# KiCad board Mynd_Main.kicad_pcb (continued)
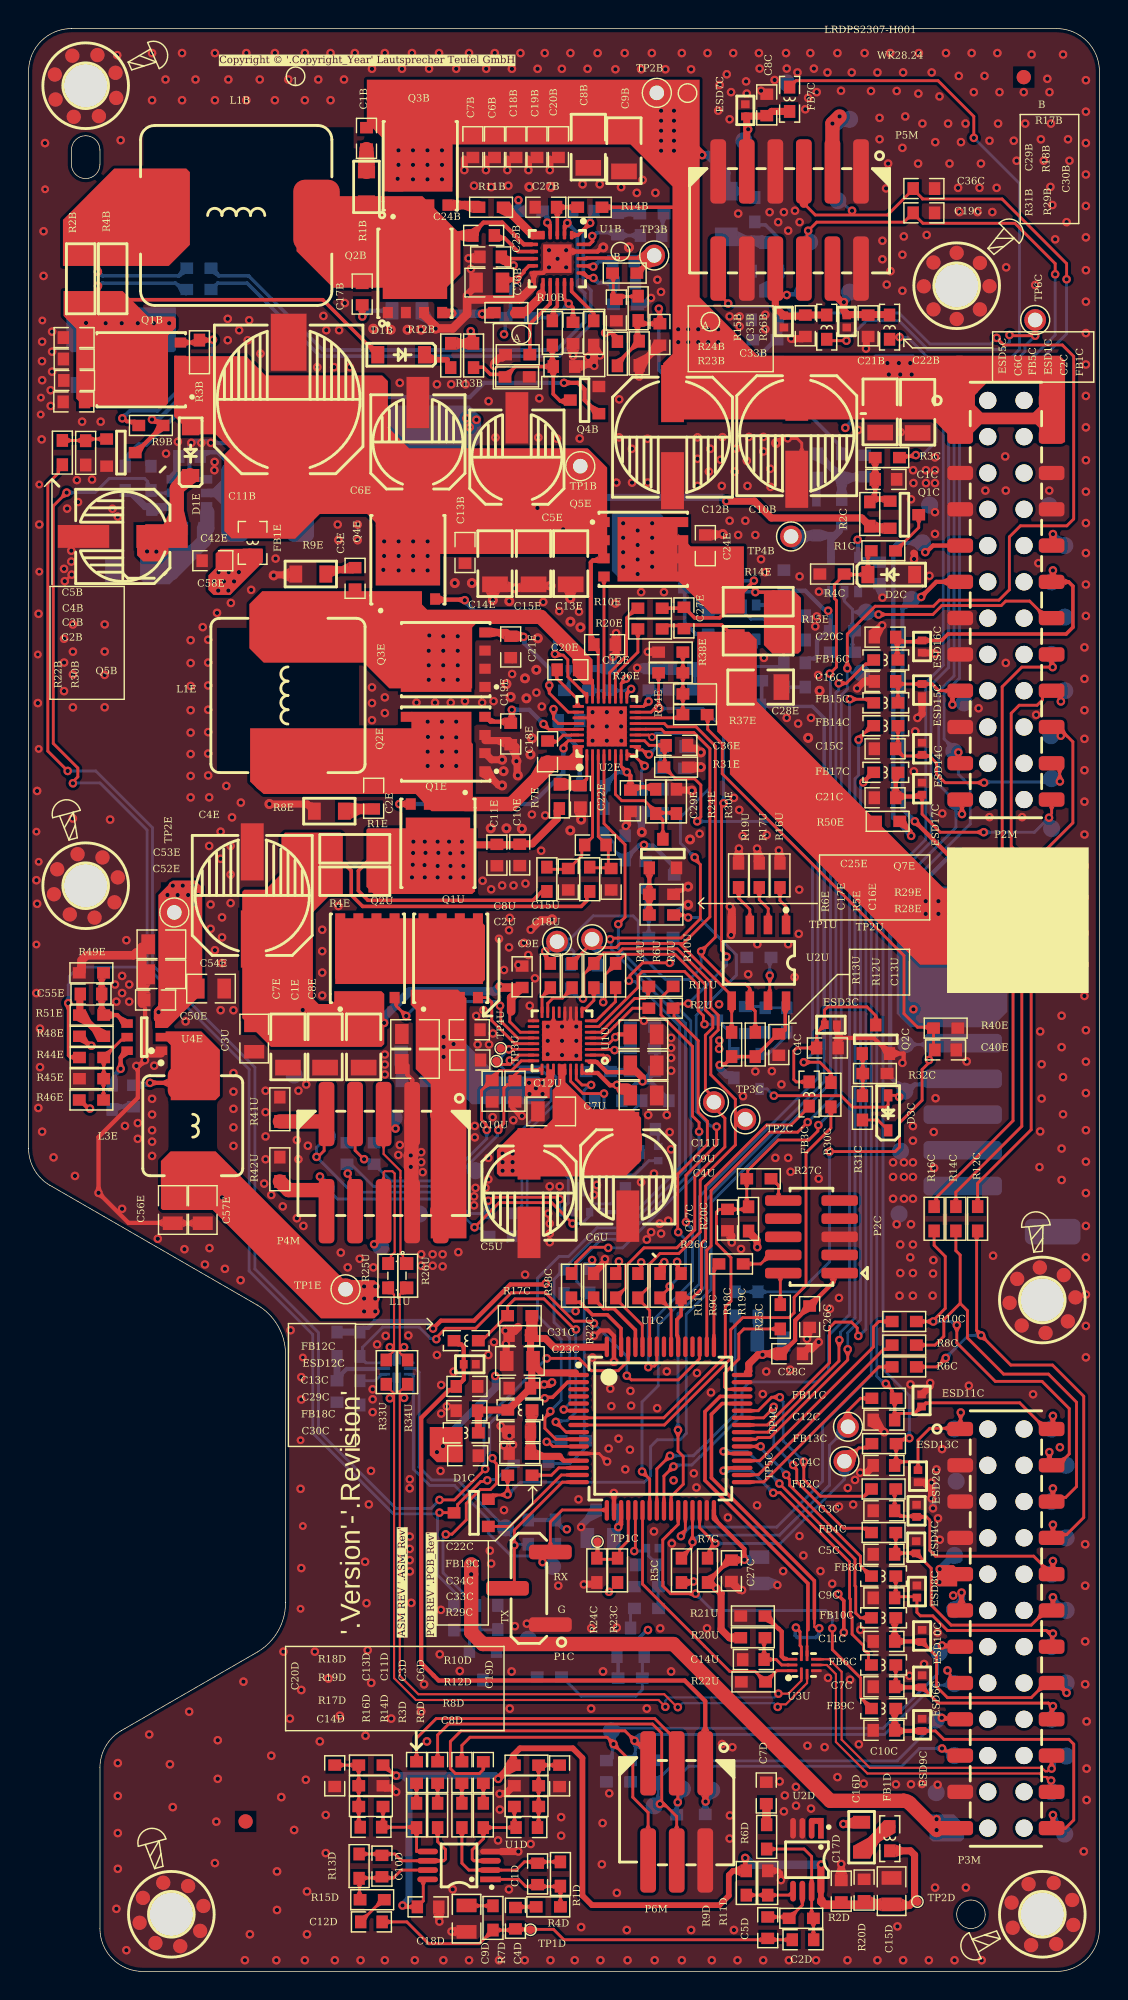
[diagram p0: board, top side]
## Routing (per net, layer and track width the routed paths; a pad name or vN(x,y) marks a point on that pad's centre or on a via; arc(x,y) is an arc through that point) (continued)
SDA: length 128.6
  Component Side w0.2: 61.5,37.25 61.06,37.25 60.76,36.95 60.76,35.68 ; ESD13C.2 62.29,35.69 ; 62.29,35.69 62.29,37.19 63.12,38.02 64.82,38.02 65.27,38.47 65.27,39.02 ; 62.29,35.69 62.28,35.68 60.76,35.68 ; 60.76,35.68 60.76,35.53 C14C.1 ; 54.3,123.75 55.1,122.95 60.15,122.95 61.95,124.75 62.6,124.1 62.6,124.07 68.18,124.07 72.7,119.55 v1(72.7,118.45) ; 61.9,124.75 C36C.1 ; 62.25,125.15 62.25,125.15
  Component Side w0.6: 54.3,123.75 P5M.5
  Solder Side w0.2: v1(65.29,39.13) 65.29,38.41 TP7M.1 ; TP53M.1 56.86,123.96 57.57,123.25 v1(57.67,123.25) ; v1(72.7,118.45) 72.7,114.63 69.82,111.75 66.4,111.75 65.2,110.55 65.2,90.53 64.12,89.45 64.12,86.28 65.09,85.31 ; v1(65.12,85.33) 65.12,83.81 65.95,82.97 65.95,80.32 59.84,74.21 59.84,42.15 61.69,40.31 v1(61.69,37.33)
SDA_2: length 18.6
  Component Side w0.2: 47,32.3 47,31.06 v1(48.1,29.96) 47.7,29.56 47.7,28.92 47.55,28.77 ; 59.06,36.95 58.76,36.65 58.16,36.65 57.57,36.06 57.24,36.06
  Solder Side w0.2: TP5C.1 57.14,34.44 52.65,29.96 v1(48.1,29.96)
StepUp_Ena: length 109
  Component Side w0.2: v1(28.78,33.01) 29.82,33.01 v1(31.98,35.17) ; R22B.1 2.08,105.18 2.08,104.88 1.35,104.15 1.35,85.42 v1(2.74,84.03) ; 42,43.7 42,42.75 41.3,42.05 39.41,42.05 38.54,42.91 v1(36.29,42.91)
  Solder Side w0.2: v1(28.78,33.01) 28.19,32.41 25.72,32.41 20.3,37.83 20.3,44.72 15.85,49.17 15.85,63.29 8.68,70.46 8.68,80.06 4.7,84.03 v1(2.74,84.03) ; v1(36.29,42.91) 31.9,38.53 31.9,35.25 v1(31.98,35.17)
SWCLK: length 6
  Component Side w0.2: R26C.1 48.3,49.52 48,49.22 48,43.7
SWDIO: length 8.5
  Component Side w0.2: R25C.1 50.1,44.97 49.74,44.62 49.74,42.87 48.74,41.87 48.74,40.92 48.91,40.75 U1C.46
UART1_RX: length 15
  Component Side w0.2: 49.95,39.25 51.1,39.25 52.04,40.19 v1(52.62,40.19) ; FB2C.1 58.98,33.77 58.68,33.47 58.68,33.42 58.53,33.26 55.47,33.26 54.3,34.43 v1(54.3,35.69)
  Solder Side w0.2: v1(54.3,35.69) 52.85,37.14 52.85,39.88 52.62,40.11 v1(52.62,40.19)
UART1_TX: length 15.2
  Component Side w0.2: v1(52.19,39.52) 52.19,39.46 51.48,38.75 U1C.42 ; FB4C.1 58.73,31.02 57.07,31.02 53.8,34.29 53.8,35.13 53.55,35.38 v1(53.55,35.45)
  Solder Side w0.2: v1(53.55,35.45) 53.55,35.49 52.19,36.85 v1(52.19,39.52)
UART2_RX: length 28.9
  Component Side w0.2: 40.5,32.3 37.37,32.3 36.54,31.47 P1C.3 36.4,29.36 36,28.96 v1(36,28.65)
  Solder Side w0.2: v1(36,28.65) 35.56,29.09 33.79,29.09 32.2,30.68 32.2,31.65 29.83,34.02 28.09,34.02 26.95,35.17 26.95,41.68 26.93,41.7 26.93,41.8 U4U.5 ; R34C.2 36.7,29.7 TP7C.1 36.43,28.35 36.21,28.57
UART2_TX: length 28.3
  Component Side w0.2: 34.02,26.58 34.02,30.89 37.38,34.25 U1C.16 ; P1C.2 33.7,26.98
  Solder Side w0.2: U4U.4 27.09,42.2 27.35,41.94 27.35,35.3 28.25,34.4 30.05,34.4 TP8C.1 33.4,30.86 33.94,30.32 33.94,29.91 v1(34.02,29.83) ; 34.11,29.9 35.2,29.9
USB-CC1: length 21
  Component Side w0.2: 22.87,59.07 22.87,59.07 22.87,57.47 23.48,56.85 v1(23.5,56.85) ; U1U.24 34.51,63.74 33.82,63.05 32.96,63.05 32.62,62.71 32.62,62.66 32.32,62.36 32.27,62.36 ; v1(32.09,58.91) 32.03,58.97 32.03,59.3 31.73,59.61 31.73,61.67 32.17,62.11 32.17,62.36
  Solder Side w0.2: v1(32.09,58.91) 32.09,58.29 29.14,55.34 25.37,55.34 24.55,56.15 24.55,56.2 24.25,56.5 C16U.1 ; v1(23.5,56.85) 23.55,56.8 23.85,56.8 24.18,56.48
USB-CC2: length 22.4
  Component Side w0.2: P4M.8 22.53,53.56 22.53,55.58 ; v1(32.9,58.9) 32.9,58.97 33.29,59.36 33.29,61.83 33.52,62.06 33.72,62.06 33.72,62.36 34.02,62.66 34.02,62.71 34.45,63.14 U1U.25
  Solder Side w0.2: v1(22.36,55.85) 22.36,56.45 C17U.1 ; 22.66,56.45 24.15,54.96 29.3,54.96 32.84,58.51 32.84,58.84 v1(32.9,58.9)
USB_AJ_N: length 6.5
  Component Side w0.15: R25U.2 25.16,47.8 25.6,47.37 25.6,45.27 25.6,43.45 25.33,43.17 25.28,43.17 24.88,42.78 24.88,42.73
  Solder Side w0.15: 25.6,43 25.6,43.45 25.35,43.7 v1(25.3,43.7)
USB_AJ_P: length 6.6
  Component Side w0.15: 26.4,42.9 26.13,43.17 26.12,43.17 26,43.3 26,45.1 26,47.39 26.09,47.47 26.22,47.47 L1U.4 R26U.2
  Solder Side w0.15: v1(26.3,43.7) 26,43.4 26,42.85 U4U.2
USB_B_N: length 24.3
  Component Side w0.15: U3U.5 56.07,21.85 56.94,20.98 56.94,16.23 58.91,14.25 70.97,14.25 71.21,14.01 71.34,14.01 71.53,14.2 v1(71.65,14.2) P3M.20
  Solder Side w0.15: v1(71.65,14.2) 71.67,14.21 71.67,14.37 72.1,14.8
USB_B_P: length 22.6
  Component Side w0.15: 56.54,18.48 56.54,18.49 56.54,18.49 56.54,18.52 ; v1(71.62,13.36) 71.53,13.36 71.28,13.61 71.05,13.61 70.8,13.86 58.75,13.86 56.54,16.06 56.54,20.81 55.9,21.45 U3U.4
USB_BJ_N: length 52.9
  Component Side w0.15: U3U.1 54.12,20.35 53.21,19.44 v1(52.52,19.44) ; v1(44.6,18.52) 44.12,19 27.13,19 25.6,20.53 25.6,40.45 25.2,40.85
  Solder Side w0.15: v1(52.52,19.44) 52.26,19.18 44.83,19.18 44.6,18.95 v1(44.6,18.52) ; v1(25.3,40.12) 25.6,40.42 U4U.7
USB_BJ_P: length 53
  Component Side w0.15: U3U.2 54.52,20.19 54.29,19.95 ; 26.5,41.1 26,40.6 26,20.7 27.3,19.4 44.52,19.4 45.42,18.5 v1(45.47,18.5) ; 54.29,19.95 53.04,18.7 52.46,18.7
  Solder Side w0.15: v1(45.47,18.5) 45.5,18.5 45.79,18.78 52.21,18.78 v1(52.47,18.52) ; U4U.6 26,40.45 v1(26.3,40.15)
USB_J_N: length 11
  Component Side w0.15: L1U.2 25.38,50.07 25.64,50.34 25.64,55.85 25.48,56.02 24.95,56.02 24.87,55.93 24.87,53.32 ; v1(24.2,50.9) 24.22,50.9 24.78,51.46 24.78,51.58 24.7,51.5
USB_J_P: length 12.1
  Component Side w0.15: L1U.1 26.23,50.07 26.05,50.25 26.05,56.04 24.87,57.22 24.87,59.46 ; 24.87,59.46 25.33,59 v1(25.7,59) ; 24.87,59.46 P4M.5
USB_M_N: length 25.6
  Component Side w0.15: v1(55.38,24.02) 55.3,24.09 55.07,24.09 55.03,24.13 55.03,24.67
  Component Side w0.2: U3U.7 54.12,22.72 54.03,22.81 54.03,23.78 v1(53.74,24.07)
  Component Side w0.25: 49.95,39.75 48.58,39.75 47.83,39 47.83,34.55 55.03,27.34 55.03,24.67
  Solder Side w0.25: v1(53.74,24.07) 53.69,24.02 53.69,23.52 53.84,23.37 55.14,23.37 55.35,23.59 55.35,23.99 v1(55.38,24.02)
USB_M_P: length 23.1
  Component Side w0.15: 54.52,22.77 54.52,23.86 54.58,23.91 54.58,23.92
  Component Side w0.2: U3U.6 54.52,22.77
  Component Side w0.25: 49.95,40.25 48.44,40.25 47.38,39.19 47.38,34.37 54.58,27.16 54.58,23.92
USB_PD_N: length 19.8
  Component Side w0.2: 33.85,63.62 34.37,64.14 U1U.23 ; 33.85,63.62 v1(33.71,63.76) ; 33.85,63.62 33.72,63.49 32.73,63.49
  Solder Side w0.18: 33.53,51.08 33.53,51.18 33.81,51.46 33.91,51.46 34.92,52.46 34.92,58.76 36.95,60.8 36.95,62.6 36.23,63.32 34.15,63.32 v1(33.71,63.76)
USB_PD_P: length 17.3
  Component Side w0.2: v1(33.64,64.54) U1U.22
  Solder Side w0.18: 34.15,53.2 34.56,53.6 34.56,58.91 36.59,60.95 36.59,62.45 36.08,62.96 33.49,62.96 33.1,63.34 33.1,64 v1(33.64,64.54)
USB_SBU1: length 35.8
  Component Side w0.2: v1(32.2,53.95) 32.31,53.95 32.56,54.2 32.69,54.2 32.7,54.19 36.97,54.19 37.1,54.06 v1(37.21,54.06) ; v1(20.17,57.02) 20.27,57.02 20.7,57.45 20.7,59.85 P4M.9
  Component Side w1: R41U.2 20.7,59.5
  Solder Side w0.2: R39U.1 37.2,53.2 ; 37.2,53.2 37.8,53.8 37.8,55.55 36.97,56.38 36.97,58.22 37.57,58.82 37.97,58.82 R35U.2 ; 37.2,53.2 37.2,54.05 v1(37.21,54.06) ; v1(32.2,53.95) 32.2,53.1 R37U.2 30.81,53.05 29.31,54.55 22.64,54.55 v1(20.17,57.02) 20.17,57.68 TP69M.1
USB_SBU2: length 35.6
  Component Side w0.2: v1(38.1,52.35) 36.64,53.81 32.96,53.81 v1(31.23,52.09) ; 20.87,54.64 20.87,55.01 20.48,55.4 20.48,55.56 v1(20.41,55.64)
  Component Side w1: 20.87,54.64 20.82,54.69 18.21,54.69 R42U.2
  Solder Side w0.2: TP60M.1 21.63,54.07 29.25,54.07 v1(31.23,52.09) 31.31,52.01 31.64,52.01 32.2,51.45 R38U.1 ; 20.91,55.24 20.51,55.64 v1(20.41,55.64) ; R36U.2 43.45,56.75 42.45,55.75 41.13,55.75 40.9,55.52 40.9,53.85 40.78,53.73 39.53,53.73 39.41,53.61 39.41,53.16 39.4,53.15 ; R40U.1 39.4,53.15 ; 39.4,53.15 39.4,53 38.75,52.35 v1(38.1,52.35)
VSys: length 119.9
  Component Side w0.2: Q5E.3 Q5E.2 ; 39.9,92.55 39.38,93.08 ; 28.54,104.44 29.27,104.44 29.34,104.37 ; U2E.22 39.9,92.53 ; 29.22,104.47 29.34,104.47 ; 29.34,104.49 29.52,104.49 30.57,103.44 33.74,103.44 33.14,102.84 30.89,102.84 29.34,104.39
  Component Side w0.3: 40.16,98.77 39.52,98.77 39.38,98.62 39.38,93.08 ; 40.16,98.77 Q5E.3 40.16,99.06 ; 40.16,98.77 40.16,99.06 ; 40.07,99.42 40.07,99.72 ; 40.07,99.42 40.16,99.33 40.16,99.06 ; 40.07,99.42 40.07,99.15 40.16,99.06 ; 40.07,99.42 39.79,99.69 ; 37.97,100.04 37.44,100.57 v1(37.44,100.94)
  Component Side w0.5: 34.75,101.64 33.84,102.54 ; 32.98,102.08 32.99,102.07 ; 32.99,102.07 32.95,102.03 32.95,100.26 ; 32.99,102.07 33.03,102.11 ; 32.99,102.07 33.09,101.97 ; 58.92,101.02 Q1C.S ; Q5E.2 35.5,100.19 35.5,102.3 ; 34.63,102.01 34.8,102.18 35.38,102.18 35.5,102.3 ; R3B.1 10.9,112.49 Q1B.3 Q1B.2 Q1B.1 18.22,110.21 C11B.1 20.05,106.04 ; 35.5,102.3 35.5,102.39 35.37,102.52 ; 35.5,102.3 v1(35.64,102.44) ; 29.34,104.39 33.04,104.39 33.82,103.62 ; 29.34,104.37 29.04,104.37 28.97,104.29 28.89,104.37 28.32,104.37 28.29,104.34 28.27,104.37 26.97,104.37 25.53,102.93 23.09,102.93 ; 20.05,106.04 25.32,106.04 26.97,104.39 ; 20.05,106.04 20.35,105.75 20.35,105.34 20.24,105.23 20.24,103.54 20.76,103.03 20.76,102.61 ; 33.1,100.19 28.6,100.19 27.67,99.25 27.67,102.1 27.31,102.45 27.23,102.45 26.97,102.71 ; v1(48.87,102.92) 50.84,102.92 52.02,101.74 58.34,101.74 R2C.2 ; 34.02,102.72 34.09,102.64
  Component Side w1: 14.45,101.2 15.16,101.2 17.16,103.2 18.2,103.2
  Component Side w3: 18.2,103.2 18.2,105.54
  Solder Side w0.5: v1(48.87,102.92) 48.84,102.92 48.57,103.18 39.68,103.18 v1(37.44,100.94)
  vias: v1(24.85,98.11) v1(24.9,100.1) v1(24.9,99.08) v1(25.92,100.1) v1(25.92,99.08) v1(25.92,98.07) v1(26.93,100.1) v1(26.93,99.08) v1(26.93,98.07) v1(27.95,100.1) v1(27.95,99.08) v1(27.95,98.07)
VSys1: length 106.9
  Component Side w0.3: R46E.1 3.6,61 4.14,60.46 4.24,60.46 v1(4.3,60.4)
  Component Side w0.5: v1(63.81,28.16) 63.84,28.16 63.99,28.01 65.05,28.01 P3M.9
  Component Side w0.6: C50E.1 9.65,67.95 9.4,67.7 9.4,67.5 9.08,67.18 9.08,66.73 9.2,66.6 9.2,66.35 U4E.3
  Component Side w1: 15.49,99.1 15.15,98.75 C58E.1
  Mid Layer 2 w0.3: 3.56,60.4 v1(4.3,60.4)
  Mid Layer 2 w0.5: 63.81,27.25 v1(63.81,28.16)
  Mid Layer 2 w0.6: 8.9,67 4.3,67 3.56,66.26 3.56,59.77 10.01,53.33 13.67,53.33 22.9,44.1 22.9,38.85 23.82,37.93 29.57,37.93 30,37.5 30,26.5 31.3,25.2 61.4,25.2 63.45,27.25 v1(63.8,27.25)
  Solder Side w0.5: 65.17,28.86 64.53,28.86 63.84,28.16 v1(63.81,28.16)
  vias: v1(9.1,67.15) v1(9.73,75.35) v1(10.1,76.01) v1(10.44,75.35) v1(10.8,76.01) v1(11.18,75.35) v1(11.5,76.02) v1(11.55,74.73) v1(11.88,75.35) v1(12.97,97.3) v1(13.31,97.95) v1(13.28,96.66) v1(13.68,97.3) v1(14.02,97.95) v1(13.99,96.66) v1(14.39,97.3) v1(14.73,97.95)
~{Amp_PDN}: length 16.1
  Component Side w0.2: 71.65,81.05 P2M.24 ; v1(66.9,79.74) 63.85,79.74 62.58,81.01 ESD17C.2
  Component Side w0.3: 62.59,82.47 62.59,82.4 62.43,82.24 60.82,82.24 C21C.1 60.73,83.78 FB17C.2
  Solder Side w0.2: v1(66.9,79.74) 70.45,79.74 v1(71.47,80.76) 71.47,80.87
~{Amp_SwFlt}: length 20.8
  Component Side w0.25: 60.8,91.8 60.85,91.85 60.85,93.45 ; v1(71.74,98.07) 71.74,97.36 P2M.12 72.84,97.27 73.14,96.97 73.14,94.09 72.67,93.62 64.39,93.62 63.94,93.17 ESD16C.2 ; C20C.1 60.73,93.35 61.01,93.08 62.58,93.08
  Solder Side w0.25: v1(71.74,98.07) 71.7,98.03 71.7,97.32 P2M.12
~{Amp_TwFlt}: length 16.8
  Component Side w0.2: v1(66.92,83.21) 64.19,83.21 63.59,83.81 63.59,84.58 63.09,85.08 61.24,85.08 61.08,85.24 61.03,85.24 60.73,85.54 C15C.1 60.89,85.74 FB14C.2 ; P2M.22 71.83,84.57 72.22,84.18 72.22,83.32 v1(72.23,83.3)
  Solder Side w0.2: 72.15,83.8 72.15,83.38 v1(72.23,83.3) 72.19,83.26 66.96,83.26 v1(66.92,83.21)

## Copper pours and planes (outline as drawn; the poured copper is in the pictures)
3V3_ADet on Component Side (solid shape): 33.22,14.16 33.58,14.83 34.16,14.04 33.45,13.69
3V3_MCU on Mid Layer 2: 34.53,32.65 40.99,26.19 48.69,26.19 54,31.5 54,50.7 39.5,50.7 34.53,45.73
3V3_STB on Component Side (solid shape): 28.1,36.14 28.6,35.65 30.3,35.65 30.4,35.75 30.4,38.11 28.1,38.11
3V3_STB on Solder Side (solid shape): 21.45,109.06 20.74,109.27 19.74,107.14 20.74,105.94 21.45,107.64
3V3_STB on Solder Side (solid shape): 30.88,109.62 31.7,108.8 31.7,107.13 30.77,106.19 19.89,106.19 19.12,106.97 19.12,109.62
3V3_STB on Mid Layer 2 (solid shape): 27.2,37.2 28.95,37.2 28.95,35.55 27.2,35.55
3V3_STB on Mid Layer 2 (solid shape): 72.57,101.08 72.57,100.42 72.37,100.22 70.67,100.22 69.81,101.08
3V3_STB on Mid Layer 2 (solid shape): 30.15,109.15 30.15,107.95 30.7,107.4 31.09,107.4 32.1,108.41 32.1,109.15
5V_CCPD on Component Side (solid shape): 11.81,54.23 11.44,55.1 13.18,55.37 12.81,54.23
5V_CCPD on Component Side (solid shape): 12.81,55.62 12.9,54.7 11.5,54.7 11.81,55.62
5V_CCPD on Component Side (solid shape): 24.5,48.1 24.22,48.38 22.08,48.42 13.1,57.4 9.94,57.4 9.27,56.72 9.27,53.42 9.39,53.3 12.9,53.3 20.48,45.72 24.22,45.72 24.5,46
5V_CCPD on Component Side (solid shape): 32.8,57.5 32.8,55.85 33,55.65 41.8,55.65 42.9,56.75 42.9,59.75 42.3,60.35 39.5,60.35 37.6,62.25 37.6,63.5 37.2,63.5 37.1,63.4 37.1,62.1 36.7,61.7 36.7,59.2 36.5,59 34.3,59
5V_CCPD on Solder Side (solid shape): 63.1,11 64.8,11 65.52,10.28 65.52,9.32 65.3,9.1 63.3,9.1 63.1,9.3
5V_CCPD on Mid Layer 2 (solid shape): 21.49,47.11 23.1,45.5 30.75,45.5 35.9,50.65 35.9,57 35.08,57.82 32.7,57.82 32.7,51.85 29.55,48.7 21.7,48.7 21.49,48.49
24V on Component Side (solid shape): 24.8,128.85 24.8,124.6 26.25,124.6 26.44,124.79 26.44,128.35 25.93,128.85
24V on Component Side (solid shape): 64.97,113.1 72.22,113.1 72.59,112.73 72.59,107.04 70.78,107.04 70.78,111.33 67.24,111.33 66.45,110.54 64.97,112.03
24V on Component Side (solid shape): 66.8,109.11 70.35,109.11 70.96,109.72 71.58,109.72 71.62,109.76 71.62,107.47 71.65,107.43 71.4,107.43 70.53,108.3 66.73,108.3 66.11,107.68 65.77,107.68 65.77,109.88 65.9,110.01
24V on Component Side (solid shape): 23.69,132.42 47,132.42 47,117.18 51.09,113.1 65.42,113.1 65.42,111.65 66.5,110.57 66.28,110.35 66.28,107.98 65.86,107.57 64.42,107.57 63.34,108.64 44.44,108.64 44.44,112.57 45.1,113.23 45.1,124.95 42.16,127.89 25.24,127.89 23.69,129.44
24V on Solder Side (solid shape): 25.3,124.76 25.3,127.96 25.6,128.26 29.38,128.26 29.68,127.96 29.68,124.92 29.43,124.66 25.4,124.66
24V on Solder Side (solid shape): 61.99,113.18 62.5,112.67 62.5,111.33 61.86,110.69 59.25,110.69 58.67,111.27 58.67,112.61 59.25,113.18
24V on Mid Layer 2: 42.1,132.25 45.5,132.25 49.47,128.28 49.47,112.12 44.23,112.12 42.1,114.25
GND on Component Side (solid shape): 32.46,83.14 31.58,83.67 32.36,84.3 32.72,83.59
GND on Component Side (solid shape): 43.42,113.42 43.77,114.13 44.5,113.44 43.79,113.09
GND on Component Side (solid shape): 43.52,112.81 43.16,112.11 42.51,112.86 43.21,113.22
GND on Component Side (solid shape): 59.55,37.8 58.85,38.15 59.55,38.86 59.91,38.15
GND on Component Side (solid shape): 59.96,94.05 59.63,93.36 58.84,93.85 59.59,94.38
GND on Solder Side (solid shape): 28,115.29 27.3,115.65 28,116.35 28.36,115.65
GND on Solder Side (solid shape): 38.99,31.85 39.35,32.56 40.06,31.86 39.35,31.5
GND on Component Side: 5.82,0.93 4.94,3.06 4.94,14.32 5.34,15.82 6.44,16.92 15.94,22.4 17.4,23.87 17.94,25.87 17.94,43.25 17.4,45.25 15.94,46.71 1.44,55.08 0.34,56.18 -0.06,57.68 -0.06,133.06 0.82,135.18 2.94,136.06 71.94,136.06 74.06,135.18 74.94,133.06 74.94,3.06 74.06,0.93 71.94,0.06 7.94,0.06
GND on Solder Side: 5.5,0.93 4.62,3.05 4.62,14.31 5.03,15.81 6.12,16.91 15.62,22.39 17.09,23.86 17.62,25.86 17.62,43.24 17.09,45.24 15.62,46.7 1.12,55.08 0.03,56.17 -0.38,57.67 -0.38,133.05 0.5,135.17 2.62,136.05 71.62,136.05 73.74,135.17 74.62,133.05 74.62,3.05 73.74,0.93 71.62,0.05 7.62,0.05
GND on Mid Layer 1 2: 72.49,135.45 72.8,135.36 73.1,135.24 73.39,135.07 73.64,134.88 73.88,134.64 74.07,134.39 74.24,134.1 74.36,133.8 74.45,133.49 74.49,133.16 74.49,2.84 74.45,2.51 74.36,2.2 74.24,1.9 74.07,1.61 73.88,1.36 73.64,1.12 73.39,0.93 73.1,0.76 72.8,0.64 72.49,0.55 72.16,0.51 7.84,0.51 7.51,0.55 7.2,0.64 6.9,0.76 6.61,0.93 6.36,1.12 6.12,1.36 5.93,1.61 5.76,1.9 5.64,2.2 5.55,2.51 5.51,2.84 5.51,14.43 5.55,14.75 5.64,15.06 5.76,15.37 5.93,15.65 6.12,15.91 6.36,16.14 6.61,16.34 16.26,21.9 16.27,21.91 16.49,22.05 16.53,22.08 16.95,22.4 17,22.44 17.37,22.81 17.41,22.86 17.73,23.28 17.77,23.33 18.03,23.79 18.06,23.84 18.26,24.33 18.28,24.39 18.42,24.9 18.43,24.96 18.5,25.48 18.5,25.53 18.51,25.79 18.51,25.81 18.51,43.19 18.51,43.21 18.5,43.47 18.5,43.52 18.43,44.04 18.42,44.1 18.28,44.61 18.26,44.67 18.06,45.16 18.03,45.21 17.77,45.67 17.73,45.72 17.41,46.14 17.37,46.19 17,46.56 16.95,46.6 16.53,46.92 16.49,46.95 16.27,47.09 16.26,47.1 1.61,55.55 1.36,55.75 1.12,55.98 0.93,56.24 0.76,56.52 0.64,56.82 0.55,57.14 0.51,57.46 0.51,133.16 0.55,133.49 0.64,133.8 0.76,134.1 0.93,134.39 1.12,134.64 1.36,134.88 1.61,135.07 1.9,135.24 2.2,135.36 2.51,135.45 2.84,135.49 72.16,135.49
GND on Mid Layer 2: 5.82,0.93 4.94,3.06 4.94,14.32 5.34,15.82 6.44,16.92 15.94,22.4 17.4,23.87 17.94,25.87 17.94,43.25 17.4,45.25 15.94,46.71 1.44,55.08 0.34,56.18 -0.06,57.68 -0.06,133.06 0.82,135.18 2.94,136.06 71.94,136.06 74.06,135.18 74.94,133.06 74.94,3.06 74.06,0.93 71.94,0.06 7.94,0.06
VBUS on Component Side (solid shape): 21.41,68.62 24.71,68.62 24.91,68.42 24.91,64.92 24.71,64.72 16.98,64.72 14.97,66.73 14.97,75.58 15.11,75.72 16.58,75.72 17.71,76.84 17.71,79.46 17.97,79.72 21.87,79.72 22.01,79.58 22.01,75.34 21.1,75.34 19.91,74.14 19.91,68.12 20.31,67.72 21.22,67.72 21.41,67.9
VBUS_2 on Component Side (solid shape): 31.17,80.02 31.27,79.91 31.27,75.57 31.22,75.57 31.07,75.42 24.17,75.42 23.67,75.92 23.67,79.92 23.77,80.02
VBUS_2 on Solder Side (solid shape): 31.15,79.58 31.25,79.48 31.25,76.28 30.95,75.98 26.08,75.98 26.08,79.58
VBUS_C on Component Side (solid shape): 28.17,51.32 30.67,51.32 30.67,68.12 30.07,68.72 26.77,68.72 26.77,67.67 27.12,67.32 27.12,63.17 28.17,62.12
VBUS_C on Component Side (solid shape): 34.77,62.51 36.27,62.51 36.27,63 36.41,63.14 36.82,63.14 36.82,62.1 36.5,61.79 36.5,61.12 34.97,61.12 34.77,61.33
VBUS_C on Solder Side (solid shape): 30.19,62.82 30.84,62.41 30.17,61.74 29.76,62.4
VBUS_C on Solder Side (solid shape): 35.85,60.7 31.05,60.7 27.6,64.15 27.6,65.3 28.3,66 29.6,66 32.95,62.65 35.75,62.65 36.3,62.1 36.3,61.15
intBat on Component Side (solid shape): 46.83,93.78 50.45,93.78 51,93.23 51,88.91 64.1,75.81 67.66,75.81 67.66,70.47 62.45,70.47 49.12,83.81 49.12,85.9 48.23,86.79 48.23,88.75 46.83,88.75
intBat on Solder Side (solid shape): 60.8,67.04 60.8,73.41 63.32,75.93 67.4,75.93 68.55,74.79 68.55,67.17 67.47,66.09 61.75,66.09
NetC1B_2 on Component Side (solid shape): 24.17,127.41 24.26,126.41 23.07,126.41 23.17,127.41
NetC2B_2 on Component Side (solid shape): 6.58,117.63 8.37,115.84 10.22,115.84 10.22,115.79 10.32,115.69 10.32,115.07 9.77,114.52 9.77,109.77 9.52,109.52 3.92,109.52 3.34,110.09 3.34,114.99 2.45,115.88 2.45,117.63
NetC2B_2 on Solder Side (solid shape): 2.86,116.48 2.64,116.27 2.64,113.72 3.02,113.34 10.17,113.34 10.32,113.49 10.32,116.48
NetC2E_2 on Component Side (solid shape): 35.2,83.8 35.9,85.03 36.8,84.23 35.98,83.17
NetC2E_2 on Component Side (solid shape): 15.52,83.28 15.52,87.02 30.02,87.02 31.12,85.92 31.12,81.22 28.22,81.22 27.12,82.42 16.46,82.42
NetC2E_2 on Component Side (solid shape): 38.15,85.78 38.11,85.75 38.11,85.35 37.65,84.88 37.65,84.28 37.85,84.08 38.35,84.08 38.8,84.53 38.8,85.79
NetC2E_2 on Solder Side (solid shape): 27.25,87.88 30.45,87.88 30.75,87.58 30.75,83.9 30.45,83.6 27.43,83.6 27.15,83.88 27.15,87.78
NetC3E_2 on Component Side (solid shape): 38.95,92.38 39.5,91.84 39.5,90.03 39.45,89.98 39.35,90.08 38.85,90.08 38.28,90.66 38.28,92.36 38.25,92.38
NetC3E_2 on Component Side (solid shape): 16.47,91.62 23.47,91.62 25.27,89.82 31.07,89.82 31.07,95.32 27.92,95.32 27.55,95.68 27.55,96.62 16.37,96.62 15.47,95.72 15.47,92.62
NetC3E_2 on Solder Side (solid shape): 27.35,94 30.45,94 30.77,93.69 30.77,90.02 30.47,89.72 27.47,89.72 27.17,90.02 27.17,93.82
NetC17B_1 on Component Side (solid shape): 27.58,124.27 30.25,121.6 30.25,118.85 29.26,117.86 21.32,117.86 18.77,120.42 18.77,123.12 19.92,124.27
NetC23E_1 on Solder Side (solid shape): 16.77,70.31 16.86,69.31 15.67,69.31 15.77,70.31
NetC24E_1 on Component Side (solid shape): 50.1,95.05 50.1,99.75 46.38,99.75 45.5,100.63 45.5,97.35 47.8,95.05
NetC24E_1 on Solder Side (solid shape): 41.05,102.18 44.12,102.18 44.45,101.85 44.45,97.98 43.96,97.48 41.4,97.48 40.85,98.03 40.85,101.98
NetC37B_2 on Solder Side (solid shape): 55.7,105.43 54.99,105.79 55.64,106.54 56,105.84
NetC37B_2 on Solder Side (solid shape): 56.5,105.34 57.21,104.98 56.56,104.23 56.2,104.93
NetC41E_2 on Solder Side (solid shape): 12.92,103.79 13.65,104.53 13.87,104.53 13.87,102.57 13.74,102.44 12.99,103.19 12.72,103.19 12.45,103.47 12.52,103.54 12.52,103.79
NetC42E_1 on Component Side (solid shape): 10.04,104.17 10.75,105.08 11.74,104.27 10.83,103.56
NetC42E_1 on Component Side (solid shape): 10.9,102.2 11.13,101.2 9.4,101.2 9.9,102.2
NetC42E_1 on Component Side (solid shape): 7.6,100.7 7.6,99.13 8.03,98.7 9.22,98.7 9.8,99.28 9.8,101.3 8.2,101.3
NetC42E_1 on Solder Side (solid shape): 8.03,99.81 12.59,99.81 12.6,99.8 12.59,99.8 9.89,97.1 8.17,97.1 7.82,97.45 7.82,99.6
NetC51E_1 on Component Side (solid shape): 9.6,65.8 12.1,65.8 13.4,64.5 13.4,61.3 13.08,60.98 9.96,60.98 9.96,64.84 9.6,65.2
NetC55E_1 on Component Side (solid shape): 4.05,66.2 3.34,66.55 4.01,67.3 4.37,66.59
NetC55E_1 on Component Side (solid shape): 4.74,66.21 5.45,65.85 4.82,65.08 4.46,65.78
NetFB1D_1 on Component Side (solid shape): 59.07,9.64 59.92,10.59 60.71,9.7 59.69,9.13
NetFB1D_1 on Component Side (solid shape): 59.5,8.94 58.94,7.9 57.75,8.79 58.79,9.36
NetL1B_1 on Component Side (solid shape): 6,126.2 2.41,122.61 2.41,119.38 9.82,119.38 11.3,120.87 11.3,125.95 11.05,126.2
NetQ1U_5 on Component Side (solid shape): 21.83,73.72 31.47,73.72 31.97,73.22 31.97,69.42 31.67,69.12 21.87,69.12 21.47,69.52 21.47,73.62
NetQ6B_G on Solder Side (solid shape): 51.7,118.22 52.12,119.07 52.91,118.57 52.26,117.93
NetQ6B_G on Solder Side (solid shape): 52.39,118.06 51.96,117.22 51.17,118.06 51.96,118.49
NetR11B_1 on Component Side (solid shape): 33.75,122.67 32.91,123.1 33.69,123.89 34.11,123.16
NetR14E_1 on Component Side (solid shape): 52.1,92.25 51.5,92.85 51.5,96.45 51.7,96.65 53.6,96.65 54.1,96.15 54.1,92.45 53.9,92.25
VSys on Component Side (solid shape): 14.22,100.32 13.71,100.82 13.71,106.18 14.98,107.45 19.93,107.45 20.39,106.99 20.39,102.02 18.67,100.29 17.17,100.29 17.14,100.32
VSys on Component Side (solid shape): 10.37,113.09 10.39,113.07 15.24,113.07 16.59,111.72 24.77,111.72 25.17,111.32 25.17,108.09 26.64,106.62 39.17,106.62 40.52,105.26 40.52,99.22 26.52,99.22 23.72,102.02 18.68,102.02 13.1,107.6 11.46,107.6 10.19,108.87 10.19,113.09
VSys on Solder Side (solid shape): 24.45,97.31 24.45,100.51 24.75,100.81 28.53,100.81 28.83,100.5 28.83,97.46 28.57,97.21 24.55,97.21
VSys1 on Component Side (solid shape): 64,28.44 63.62,28.06 63.62,27.2 63.87,26.95 65.04,26.95 65.04,28.2 64.79,28.44
VSys1 on Component Side (solid shape): 8.86,67.3 8.84,67.32 9.09,67.57 9.09,75.35 10.11,76.36 11.68,76.36 12.16,75.88 12.16,68.46 9.75,66.05 8.86,66.05
VSys1 on Component Side (solid shape): 14.12,96.35 12.95,96.35 12.6,96.71 12.6,97.72 13.1,98.23 13.1,99.25 13.43,99.58 16.33,99.58 16.41,99.5 16.41,98.64
VSys1 on Mid Layer 2 (solid shape): 63.29,26.91 63.91,26.91 64.32,27.31 64.32,28.15 64.12,28.35 63.49,28.35 63.11,27.97 63.11,27.09
VSys1 on Mid Layer 2: 8.91,99.58 6.07,96.73 6.07,81.29 8.46,78.9 8.46,73.17 11.76,73.17 12.52,73.92 12.57,73.92 12.57,80.33 10.51,82.38 10.51,94.98 11.66,96.12 14.48,96.12 15.15,96.8 15.15,99.58

Small or netless copper shapes (teardrops, artwork), in the pictures only: 785 on Component Side, 283 on Solder Side, 6 on Mid Layer 2

## Text on the board
Top Overlay: 1 | A | RX | G | B | TX | LRDPS2307-H001 | WK28.24
